# KiCad board gk-pcbv3.kicad_pcb
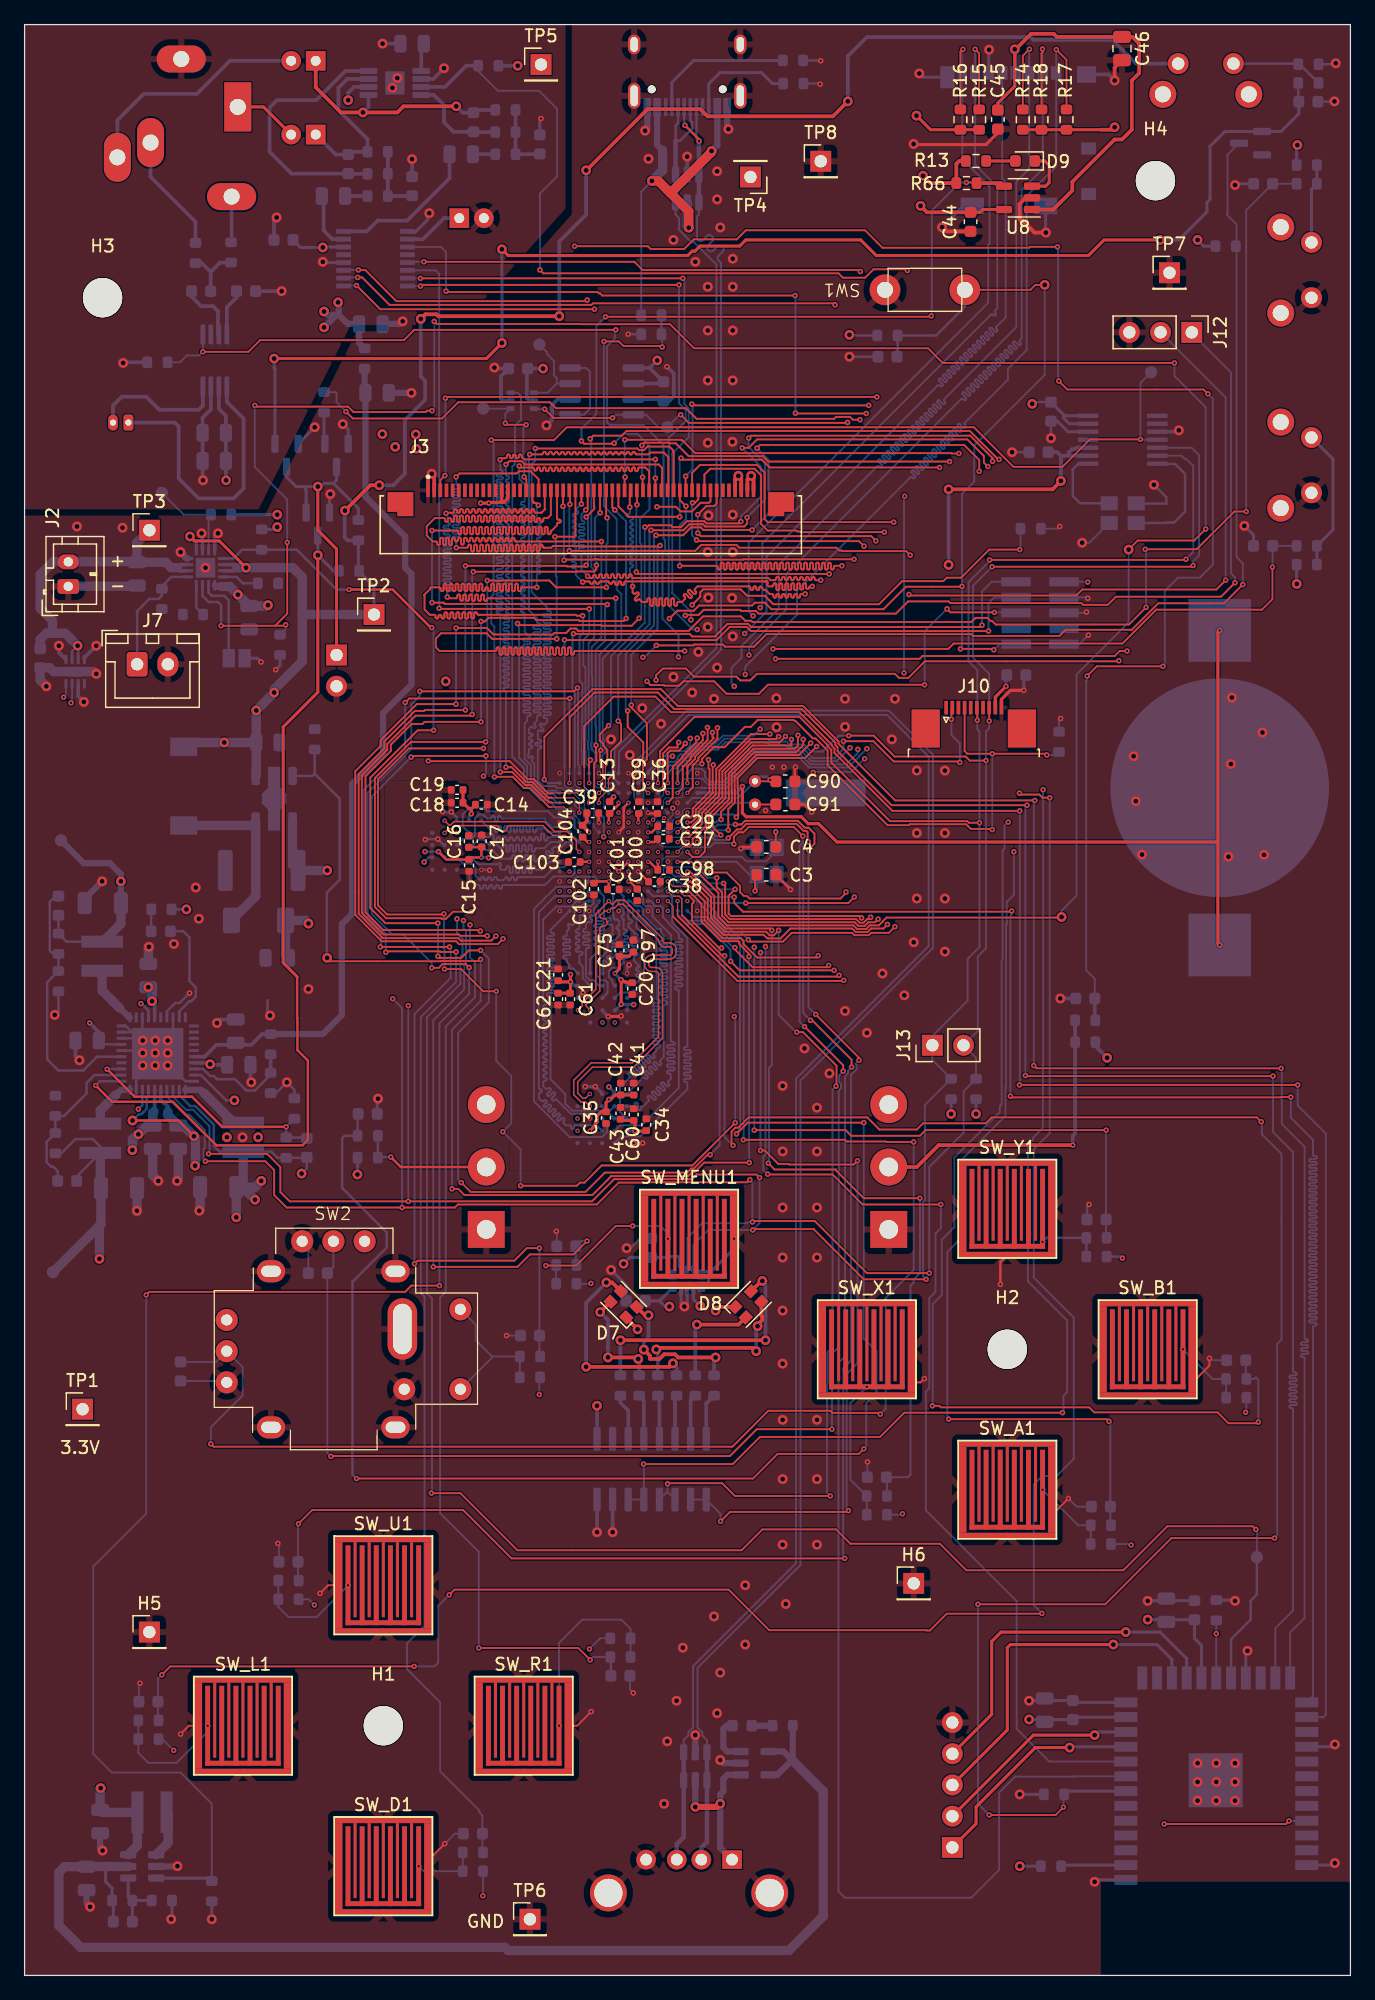
[diagram p0: board, top side]
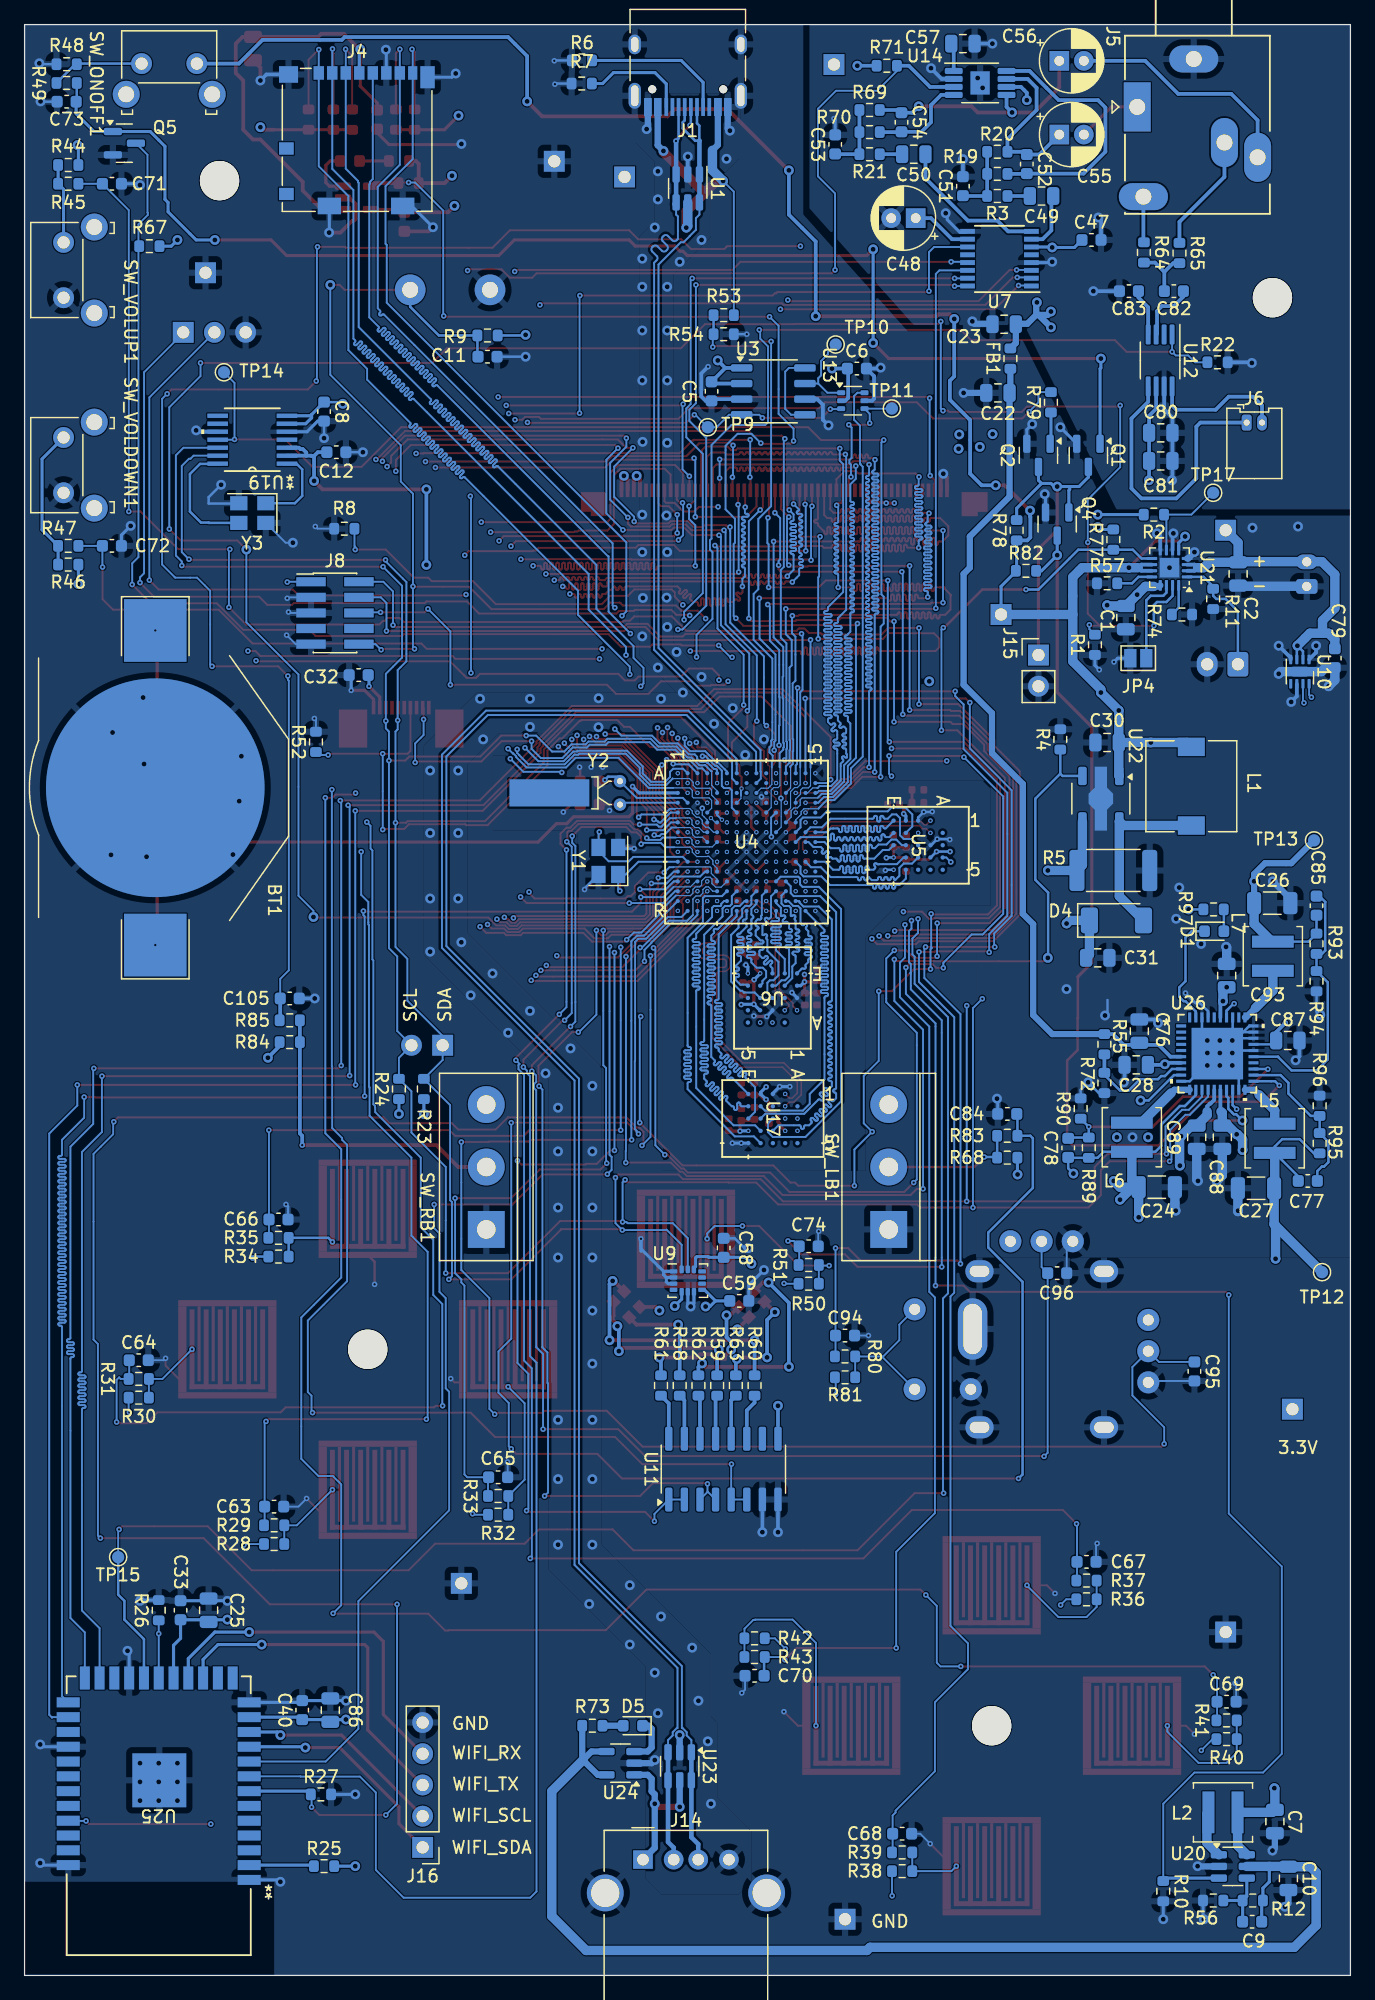
[diagram p1: board, bottom side, seen from below]

Outline 107.95 x 158.75 mm; copper layers: Top, In1.Cu, In2.Cu, In3.Cu, In4.Cu, Bottom. Coordinates in mm from the lower left corner of the outline.
Outline path: rectangle 0,158.75 107.95,0
Stack: Top 0.035mm / dielectric 0.0994mm FR4 er 4.1 / In1.Cu 0.0152mm / dielectric 0.55mm FR4 er 4.6 / In2.Cu 0.0152mm / dielectric 0.1088mm FR4 er 4.16 / In3.Cu 0.0152mm / dielectric 0.55mm FR4 er 4.6 / In4.Cu 0.0152mm / dielectric 0.0994mm FR4 er 4.1 / Bottom 0.035mm

## Placement (name value [footprint] x y rotation side)
BT1  Battery_Cell  [BatteryHolder_Keystone_3002_1x2032]  97.31 96.65 90 bottom
C1  4.7u  [C_0805_2012Metric]  18.29 110.49 270 bottom
C2  4.7u  [C_0805_2012Metric]  9.14 114.05 270 bottom
C3  15p  [C_0603_1608Metric]  60.39 89.57 0 top
C4  15p  [C_0603_1608Metric]  60.39 91.83 180 top
C5  100n  [C_0603_1608Metric]  52.02 128.91 270 bottom
C6  100n  [C_0603_1608Metric]  40.18 130.76 180 bottom
C7  10u  [C_0805_2012Metric]  6.15 12.52 270 bottom
C8  100n  [C_0603_1608Metric]  83.57 127.25 270 bottom
C9  175p  [C_0603_1608Metric]  8 4.37 0 bottom
C10  22u  [C_0805_2012Metric]  5.05 7.9 270 bottom
C11  100n  [C_0603_1608Metric]  70.26 131.72 180 bottom
C12  100n  [C_0603_1608Metric]  82.56 123.95 180 bottom
C13  100n  [C_0402_1005Metric]  47.63 95.03 90 top
C14  1u  [C_0402_1005Metric]  37.19 95.28 0 top
C15  1u  [C_0402_1005Metric]  36.19 90.33 270 top
C16  100n  [C_0402_1005Metric]  36.17 92.28 90 top
C17  100n  [C_0402_1005Metric]  37.22 92.3 90 top
C18  100n  [C_0402_1005Metric]  35.22 95.43 180 top
C19  100n  [C_0402_1005Metric]  35.22 96.48 180 top
C20  1u  [C_0402_1005Metric]  49.47 80.3 270 top
C21  1u  [C_0402_1005Metric]  43.44 81.43 90 top
C22  10u  [C_0805_2012Metric]  28.7 128.78 0 bottom
C23  10u  [C_0805_2012Metric]  28.19 134.37 0 bottom
C24  47u  [C_1206_3216Metric]  15.77 64.14 180 bottom
C25  10u  [C_0805_2012Metric]  92.96 29.72 90 bottom
C26  47u  [C_1206_3216Metric]  6.37 87.26 180 bottom
C27  47u  [C_1206_3216Metric]  7.69 64.06 0 bottom
C28  1u  [C_0805_2012Metric]  17.44 74.1 0 bottom
C29  100n  [C_0402_1005Metric]  52.03 93.51 0 top
C30  22u  [C_0805_2012Metric]  19.81 100.33 0 bottom
C31  2.2u  [C_0805_2012Metric]  20.57 82.8 180 bottom
C32  100n  [C_0603_1608Metric]  80.75 105.82 0 bottom
C33  100n  [C_0603_1608Metric]  95.25 29.72 90 bottom
C34  1u  [C_0402_1005Metric]  50.62 69.23 90 top
C35  1u  [C_0402_1005Metric]  47.34 69.8 270 top
C36  2.2u  [C_0402_1005Metric]  51.53 95.03 90 top
C37  100n  [C_0402_1005Metric]  52.01 92.48 0 top
C38  2.2u  [C_0402_1005Metric]  51.28 89.01 0 top
C39  2.2u  [C_0402_1005Metric]  46.26 94.58 180 top
C40  100n  [C_0603_1608Metric]  85.34 21.59 90 bottom
C41  100n  [C_0402_1005Metric]  49.59 72.13 90 top
C42  100n  [C_0402_1005Metric]  48.54 72.13 90 top
C43  100n  [C_0402_1005Metric]  48.52 70.15 90 top
C44  100n  [C_0603_1608Metric]  77.02 142.7 270 top
C45  100n  [C_0603_1608Metric]  79.24 151.02 270 top
C46  10u  [C_0805_2012Metric]  89.35 156.8 270 top
C47  100n  [C_0603_1608Metric]  21.08 141.22 180 bottom
C48  10u  [CP_Radial_D5.0mm_P2.00mm]  35.39 143 0 bottom
C49  0 / 1u  [C_0805_2012Metric]  25.15 144.8 0 bottom
C50  0 / 1u  [C_0805_2012Metric]  35.55 148.2 0 bottom
C51  3300p  [C_0603_1608Metric]  31.55 145.6 90 bottom
C52  680p  [C_0603_1608Metric]  26.35 147.4 270 bottom
C53  3300p  [C_0603_1608Metric]  41.95 149 90 bottom
C54  680p  [C_0603_1608Metric]  36.55 150.8 270 bottom
C55  10u  [CP_Radial_D5.0mm_P2.00mm]  23.71 149.8 180 bottom
C56  10u  [CP_Radial_D5.0mm_P2.00mm]  23.71 155.8 180 bottom
C57  1u  [C_0805_2012Metric]  31.55 157.2 0 bottom
C58  100n  [C_0603_1608Metric]  51.03 59.21 90 bottom
C59  100n  [C_0603_1608Metric]  49.76 54.89 180 bottom
C60  100n  [C_0402_1005Metric]  49.59 70.05 90 top
C61  100n  [C_0402_1005Metric]  44.42 79.45 270 top
C62  100n  [C_0402_1005Metric]  43.44 79.45 270 top
C63  100n  [C_0603_1608Metric]  87.63 38.15 180 bottom
C64  100n  [C_0603_1608Metric]  98.65 50.06 180 bottom
C65  100n  [C_0603_1608Metric]  69.39 40.54 180 bottom
C66  100n  [C_0603_1608Metric]  87.27 61.51 180 bottom
C67  100n  [C_0603_1608Metric]  21.49 33.66 180 bottom
C68  100n  [C_0603_1608Metric]  36.5 11.53 180 bottom
C69  100n  [C_0603_1608Metric]  10.08 22.28 180 bottom
C70  100n  [C_0603_1608Metric]  48.51 24.38 0 bottom
C71  100n  [C_0603_1608Metric]  100.84 145.8 180 bottom
C72  100n  [C_0603_1608Metric]  100.84 116.33 180 bottom
C73  100n  [C_0603_1608Metric]  104.52 152.48 0 bottom
C74  100n  [C_0603_1608Metric]  44.11 59.33 180 bottom
C75  100n  [C_0402_1005Metric]  48.43 83.41 90 top
C76  1u  [C_0805_2012Metric]  17.19 76.84 90 bottom
C77  10p  [C_0603_1608Metric]  3.47 64.65 180 bottom
C78  10p  [C_0603_1608Metric]  22.98 67.34 90 bottom
C79  100n  [C_0603_1608Metric]  1.27 107.19 270 bottom
C80  10u  [C_0805_2012Metric]  15.44 125.53 180 bottom
C81  1u  [C_0805_2012Metric]  15.44 123.24 180 bottom
C82  0.1u  [C_0603_1608Metric]  14.38 137.06 0 bottom
C83  0.1u  [C_0603_1608Metric]  18.03 137.06 0 bottom
C84  100n  [C_0603_1608Metric]  27.94 70.1 0 bottom
C85  10p  [C_0603_1608Metric]  2.76 87.05 90 bottom
C86  10u  [C_0805_2012Metric]  83.06 21.59 90 bottom
C87  1u  [C_0805_2012Metric]  5.1 76.08 180 bottom
C88  22u  [C_0805_2012Metric]  10.43 68.21 270 bottom
C89  22u  [C_0805_2012Metric]  12.51 68.21 270 bottom
C90  15p  [C_0603_1608Metric]  61.94 97.17 0 top
C91  15p  [C_0603_1608Metric]  61.94 95.29 0 top
C93  22u  [C_0805_2012Metric]  10.08 81.36 90 bottom
C94  100n  [C_0603_1608Metric]  41.15 52.07 180 bottom
C95  10n  [C_0603_1608Metric]  12.7 49.15 270 bottom
C96  10n  [C_0603_1608Metric]  23.88 57.15 180 bottom
C97  100n  [C_0402_1005Metric]  49.56 83.76 90 top
C98  100n  [C_0402_1005Metric]  52.03 89.96 0 top
C99  100n  [C_0402_1005Metric]  50.01 95.03 90 top
C100  100n  [C_0402_1005Metric]  49.88 87.93 270 top
C101  100n  [C_0402_1005Metric]  47.93 88.38 0 top
C102  100n  [C_0402_1005Metric]  46.36 88.41 270 top
C103  100n  [C_0402_1005Metric]  44.76 90.61 180 top
C104  100n  [C_0402_1005Metric]  45.43 93.11 90 top
C105  100n  [C_0603_1608Metric]  86.36 79.5 180 bottom
D1  LED  [LED_0603_1608Metric]  11.09 84.97 180 bottom
D4  D  [D_SOD-128]  19.05 85.85 180 bottom
D5  LED  [LED_0603_1608Metric]  58.42 20.32 0 bottom
D7  LED_ARGB  [LED_ASMB-KTF0-0A306]  48.77 54.61 135 top
D8  LED_ARGB  [LED_ASMB-KTF0-0A306]  58.93 54.61 45 top
D9  LED  [LED_0603_1608Metric]  81.46 147.65 180 top
FB1  FerriteBead  [R_0603_1608Metric]  27.69 131.57 90 bottom
H1  MountingHole  [MountingHole_3.2mm_M3]  29.21 20.32 0 top
H2  MountingHole  [MountingHole_3.2mm_M3]  80.01 50.95 0 top
H3  MountingHole  [MountingHole_3.2mm_M3]  6.35 136.53 0 top
H4  MountingHole  [MountingHole_3.2mm_M3]  92.08 146.05 0 top
H5  Conn_01x01  [PinHeader_1x01_P2.54mm_Vertical]  10.16 27.94 0 top
H6  Conn_01x01  [PinHeader_1x01_P2.54mm_Vertical]  72.39 31.9 0 top
J1  USB_C_Receptacle_USB2.0  [USB_C_Receptacle_HRO_TYPE-C-31-M-12]  53.95 156.09 0 bottom
J2  Conn_01x02  [JST_PH_B2B-PH-K_1x02_P2.00mm_Vertical]  3.56 113.03 90 top
J3  Conn_02x27_Top_Bottom  [AMPHENOL_F32Q-1A7H1-11054]  45.9 118.24 270 top
J4  Micro_SD_Card_Det2  [microSD_HC_Molex_104031-0811]  80.89 149.37 180 bottom
J5  AudioJack3_SwitchTR  [Jack_3.5mm_Ledino_KB3SPRS_Horizontal]  17.36 152.05 270 bottom
J6  Conn_01x02  [Molex_PicoBlade_53048-0210_1x02_P1.25mm_Horizontal]  8.45 126.36 180 bottom
J7  Conn_01x02  [JST_XH_B2B-XH-A_1x02_P2.50mm_Vertical]  9.16 106.7 0 top
J8  Conn_ARM_JTAG_SWD_10  [PinHeader_2x05_P1.27mm_Vertical_SMD]  82.68 110.87 180 bottom
J10  TE 1-1734839-0  [TE_1-1734839-0_1x10-1MP_P0.5mm_Horizontal]  77.29 101.82 0 top
J12  Conn_01x03  [PinHeader_1x03_P2.54mm_Vertical]  95.03 133.71 270 top
J13  Conn_01x02  [PinHeader_1x02_P2.54mm_Vertical]  73.91 75.69 90 top
J14  USB_A  [USB_A_Molex_67643_Horizontal]  57.6 9.42 180 bottom
J15  Conn_01x02  [PinHeader_1x02_P2.54mm_Vertical]  25.4 107.45 180 bottom
J16  Conn_01x05  [PinHeader_1x05_P2.54mm_Vertical]  75.54 10.42 0 bottom
JP4  SolderJumper_2_Open  [SolderJumper-2_P1.3mm_Open_Pad1.0x1.5mm]  17.27 107.19 180 bottom
L1  10u  [L_7.3x7.3_H3.5]  12.95 96.77 270 bottom
L2  2.2u XAL4020-222ME  [L_Coilcraft_XAL4020-XXX]  10.38 13.27 180 bottom
L5  2.2u XAL4020-222ME  [L_Coilcraft_XAL4020-XXX]  6.16 68.12 90 bottom
L6  2.2u XAL4020-222ME  [L_Coilcraft_XAL4020-XXX]  17.8 68.21 90 bottom
L7  2.2u XAL4020-222ME  [L_Coilcraft_XAL4020-XXX]  6.32 82.94 270 bottom
Q1  2N7002  [SOT-23]  21.34 123.7 270 bottom
Q2  2N7002  [SOT-23]  25.4 123.7 270 bottom
Q4  2N7002  [SOT-23]  23.88 118.11 270 bottom
Q5  2N7002  [SOT-23]  99.82 149.1 180 bottom
R1  10k  [R_0603_1608Metric]  20.8 108.28 90 bottom
R2  100k  [R_0603_1608Metric]  16 118.87 0 bottom
R3  7.5k  [R_0603_1608Metric]  28.75 144.8 0 bottom
R4  100k  [R_0603_1608Metric]  23.62 100.58 90 bottom
R5  20R  [R_2512_6332Metric]  19.3 89.92 180 bottom
R6  5.1k  [R_0603_1608Metric]  62.56 155.83 180 bottom
R7  5.1k  [R_0603_1608Metric]  62.59 153.95 0 bottom
R8  10k  [R_0603_1608Metric]  81.91 117.73 0 bottom
R9  10k  [R_0603_1608Metric]  70.26 133.45 0 bottom
R10  100k  [R_0603_1608Metric]  15.24 6.86 270 bottom
R11  NC/10k  [R_0603_1608Metric]  11.18 112.01 90 bottom
R12  910k  [R_0603_1608Metric]  7.95 6.1 0 bottom
R13  100k  [R_0603_1608Metric]  77.46 147.65 0 top
R14  10k  [R_0603_1608Metric]  81.27 151.02 90 top
R15  100k  [R_0603_1608Metric]  77.72 151.02 90 top
R16  100k  [R_0603_1608Metric]  76.19 151.02 90 top
R17  100k  [R_0603_1608Metric]  84.83 151.02 90 top
R18  100k  [R_0603_1608Metric]  82.8 151.02 90 top
R19  360R  [R_0603_1608Metric]  28.75 146.6 180 bottom
R20  5.6k  [R_0603_1608Metric]  28.75 148.4 180 bottom
R21  7.5k  [R_0603_1608Metric]  39.15 148.2 0 bottom
R22  10k  [R_0603_1608Metric]  10.82 131.27 180 bottom
R23  1k  [R_0603_1608Metric]  75.44 72.14 90 bottom
R24  1k  [R_0603_1608Metric]  77.47 72.14 90 bottom
R25  1M  [R_0603_1608Metric]  83.57 8.89 180 bottom
R26  100k  [R_0603_1608Metric]  97.03 29.72 90 bottom
R27  100k  [R_0603_1608Metric]  83.82 14.73 180 bottom
R28  10k  [R_0603_1608Metric]  87.63 35.1 180 bottom
R29  10k  [R_0603_1608Metric]  87.63 36.63 0 bottom
R30  10k  [R_0603_1608Metric]  98.65 47.02 180 bottom
R31  10k  [R_0603_1608Metric]  98.65 48.54 0 bottom
R32  10k  [R_0603_1608Metric]  69.39 37.49 180 bottom
R33  10k  [R_0603_1608Metric]  69.39 39.01 0 bottom
R34  10k  [R_0603_1608Metric]  87.27 58.5 180 bottom
R35  10k  [R_0603_1608Metric]  87.27 60.02 0 bottom
R36  10k  [R_0603_1608Metric]  21.49 30.61 180 bottom
R37  10k  [R_0603_1608Metric]  21.49 32.13 0 bottom
R38  10k  [R_0603_1608Metric]  36.5 8.48 180 bottom
R39  10k  [R_0603_1608Metric]  36.5 10.01 0 bottom
R40  10k  [R_0603_1608Metric]  10.08 19.23 180 bottom
R41  10k  [R_0603_1608Metric]  10.08 20.75 0 bottom
R42  10k  [R_0603_1608Metric]  48.51 27.43 0 bottom
R43  10k  [R_0603_1608Metric]  48.51 25.91 180 bottom
R44  10k  [R_0603_1608Metric]  104.39 147.32 0 bottom
R45  10k  [R_0603_1608Metric]  104.39 145.8 180 bottom
R46  10k  [R_0603_1608Metric]  104.39 114.81 0 bottom
R47  10k  [R_0603_1608Metric]  104.39 116.33 180 bottom
R48  10k  [R_0603_1608Metric]  104.52 155.52 0 bottom
R49  10k  [R_0603_1608Metric]  104.52 154 180 bottom
R50  10k  [R_0603_1608Metric]  44.11 56.29 180 bottom
R51  10k  [R_0603_1608Metric]  44.11 57.81 0 bottom
R52  10k  [R_0603_1608Metric]  84.23 100.38 90 bottom
R53  33k  [R_0603_1608Metric]  51.03 135.1 0 bottom
R54  82k  [R_0603_1608Metric]  51.03 133.55 180 bottom
R55  825k  [R_0603_1608Metric]  20.03 75.78 270 bottom
R56  100k  [R_0603_1608Metric]  11.18 6.1 0 bottom
R57  1.5k  [R_0603_1608Metric]  19.81 113.28 180 bottom
R58  360R  [R_0603_1608Metric]  54.61 48.01 270 bottom
R59  360R  [R_0603_1608Metric]  51.56 48.01 270 bottom
R60  360R  [R_0603_1608Metric]  48.51 48.01 270 bottom
R61  360R  [R_0603_1608Metric]  56.13 48.01 270 bottom
R62  360R  [R_0603_1608Metric]  53.09 48.01 270 bottom
R63  360R  [R_0603_1608Metric]  50.04 48.01 270 bottom
R64  10k  [R_0603_1608Metric]  16.81 140.21 270 bottom
R65  10k  [R_0603_1608Metric]  13.92 140.16 270 bottom
R66  100k  [R_0603_1608Metric]  76.69 145.85 0 top
R67  100k  [R_0603_1608Metric]  97.79 140.72 0 bottom
R68  10k  [R_0603_1608Metric]  27.94 66.55 0 bottom
R69  5.6k  [R_0603_1608Metric]  39.15 151.8 180 bottom
R70  360R  [R_0603_1608Metric]  39.15 150 180 bottom
R71  10k  [R_0603_1608Metric]  37.75 155.4 0 bottom
R72  232k  [R_0603_1608Metric]  20.03 72.63 270 bottom
R73  10k  [R_0603_1608Metric]  61.72 20.32 0 bottom
R74  1k  [R_0603_1608Metric]  13.72 110.74 0 bottom
R77  100k  [R_0603_1608Metric]  19.3 116.84 90 bottom
R78  100k  [R_0603_1608Metric]  27.18 117.6 90 bottom
R79  10k  [R_0603_1608Metric]  24.38 128.02 90 bottom
R80  10k  [R_0603_1608Metric]  41.15 50.37 0 bottom
R81  10k  [R_0603_1608Metric]  41.15 48.67 0 bottom
R82  100k  [R_0603_1608Metric]  26.42 114.3 180 bottom
R83  10k  [R_0603_1608Metric]  27.94 68.33 180 bottom
R84  10k  [R_0603_1608Metric]  86.36 75.95 180 bottom
R85  10k  [R_0603_1608Metric]  86.36 77.72 0 bottom
R89  825k  [R_0603_1608Metric]  21.3 67.36 90 bottom
R90  232k  [R_0603_1608Metric]  21.96 70.54 90 bottom
R93  750k  [R_0603_1608Metric]  2.76 83.95 270 bottom
R94  510k  [R_0603_1608Metric]  2.76 80.91 270 bottom
R95  510k  [R_0603_1608Metric]  2.51 67.72 90 bottom
R96  680k  [R_0603_1608Metric]  2.51 70.77 90 bottom
R97  10k  [R_0603_1608Metric]  11.14 86.75 180 bottom
SW1  SW_Push  [Tactile Switch 6x3.5mm]  73.3 137.17 180 top
SW2  ~  [XBOX_THUMB_ROT_OVERLAP]  25.1 50.8 0 top
SW_A1  SW_Push  [TouchButton-8x8mm]  80.01 39.52 0 top
SW_B1  SW_Push  [TouchButton-8x8mm]  91.44 50.95 0 top
SW_D1  SW_Push  [TouchButton-8x8mm]  29.21 8.89 0 top
SW_L1  SW_Push  [TouchButton-8x8mm]  17.78 20.32 0 top
SW_LB1  SW_Push  [TerminalBlock_bornier-3_P5.08mm]  37.59 60.71 90 bottom
SW_MENU1  SW_Push  [TouchButton-8x8mm]  54.1 59.94 0 top
SW_ONOFF1  SW_Push  [SW_Tactile_SKHH_Angled]  98.42 155.58 180 bottom
SW_R1  SW_Push  [TouchButton-8x8mm]  40.64 20.32 0 top
SW_RB1  SW_Push  [TerminalBlock_bornier-3_P5.08mm]  70.36 60.71 90 bottom
SW_U1  SW_Push  [TouchButton-8x8mm]  29.21 31.75 0 top
SW_VOLDOWN1  SW_Push  [SW_Tactile_SKHH_Angled]  104.77 120.65 90 bottom
SW_VOLUP1  SW_Push  [SW_Tactile_SKHH_Angled]  104.77 136.53 90 bottom
SW_X1  SW_Push  [TouchButton-8x8mm]  68.58 50.95 0 top
SW_Y1  SW_Push  [TouchButton-8x8mm]  80.01 62.38 0 top
TP1  TestPoint  [PinHeader_1x01_P2.54mm_Vertical]  4.72 46.08 0 top
TP2  TestPoint  [PinHeader_1x01_P2.54mm_Vertical]  28.45 110.74 0 top
TP3  TestPoint  [PinHeader_1x01_P2.54mm_Vertical]  10.16 117.6 0 top
TP4  TestPoint  [PinHeader_1x01_P2.54mm_Vertical]  59.1 146.35 180 top
TP5  TestPoint  [PinHeader_1x01_P2.54mm_Vertical]  42.05 155.5 0 top
TP6  TestPoint  [PinHeader_1x01_P2.54mm_Vertical]  41.15 4.57 0 top
TP7  TestPoint  [PinHeader_1x01_P2.54mm_Vertical]  93.22 138.56 0 top
TP8  TestPoint  [PinHeader_1x01_P2.54mm_Vertical]  64.82 147.62 0 top
TP9  TestPoint  [TestPoint_Pad_D1.0mm]  52.32 125.98 180 bottom
TP10  TestPoint  [TestPoint_Pad_D1.0mm]  41.91 132.72 180 bottom
TP11  TestPoint  [TestPoint_Pad_D1.0mm]  37.34 127.51 180 bottom
TP12  TestPoint  [TestPoint_Pad_D1.0mm]  2.31 57.23 180 bottom
TP13  TestPoint  [TestPoint_Pad_D1.0mm]  2.96 92.36 180 bottom
TP14  TestPoint  [TestPoint_Pad_D1.0mm]  91.72 130.45 180 bottom
TP15  TestPoint  [TestPoint_Pad_D1.0mm]  100.33 34.04 0 bottom
TP17  TestPoint  [TestPoint_Pad_D1.0mm]  11.18 120.65 180 bottom
U1  WE-TVS-82400102  [SOT-23-6]  53.95 145.42 270 bottom
U3  ICS570BLF  [SO-8_3.9x4.9mm_P1.27mm]  46.99 128.91 180 bottom
U4  STM32H7S7L8H6H  [TFBGA225_STM]  49.17 92.23 180 bottom
U5  S26KS128SDPBHI020  [BGA24_Hyperbus]  35.2 91.97 270 bottom
U6  S80KS5122GABHI020  [BGA24_Hyperbus]  47.06 79.54 0 bottom
U7  PCM1753DBQ  [SSOP-16_3.9x4.9mm_P0.635mm]  28.58 139.7 0 bottom
U8  TPS2041BDBV  [SOT-23-5]  80.89 144.65 180 top
U9  LSM6DSL  [LGA-14_3x2.5mm_P0.5mm_LayoutBorder3x4y]  53.95 56.54 180 bottom
U10  MAX17048  [TDFN-8-1EP_2x2mm_P0.5mm_EP0.8x1.2mm]  4.11 106.1 270 bottom
U11  ULN2003A  [SOIC-16_3.9x9.9mm_P1.27mm]  51.05 41.2 90 bottom
U12  PAM8302AAS  [MSOP-8_3x3mm_P0.65mm]  15.49 131.42 270 bottom
U13  TMUX1237  [SOT-363_SC-70-6]  40.51 128.14 180 bottom
U14  TPA6110A2DGN  [HVSSOP-8-1EP_3x3mm_P0.65mm_EP1.57x1.89mm]  30.15 154 180 bottom
U17  S80KS5122GABHI020  [BGA24_Hyperbus]  47.02 69.73 270 bottom
U19  CDCE913PWR  [PW14]  89.41 124.97 0 bottom
U20  TLV61070ADBV  [SOT-23-6]  9.58 8.87 180 bottom
U21  BQ24075RGT (_not_ BQ24075*T*RGT)  [VQFN-16-1EP_3x3mm_P0.5mm_EP1.6x1.6mm]  14.73 114.55 0 bottom
U22  PT4110E89E  [SOT-89-5]  20.32 95.76 270 bottom
U23  WE-TVS-82400102  [SOT-23-6]  54.61 17.02 270 bottom
U24  TPS2051CDBV  [SOT-23-5]  59.44 17.27 0 bottom
U25  ATWILC3000-MR110CA  [ATWILC3000-MR110CA_MCH]  97.03 12.99 0 bottom
U26  LT3380EUJM-PBF  [05-08-1681_ADI]  10.84 75.01 180 bottom
Y1  24MHz  [Crystal_SMD_SeikoEpson_TSX3225-4Pin_3.2x2.5mm]  60.42 90.69 90 bottom
Y2  32.768kHz R26-32.768-12.5  [Crystal_C26-LF_D2.1mm_L6.5mm_Horizontal_1EP_style1]  59.47 97.18 270 bottom
Y3  27M  [Crystal_SMD_SeikoEpson_TSX3225-4Pin_3.2x2.5mm]  89.41 119 0 bottom

## Library data of the parts
C1-C4 C11 C13-C23 C25 C29-C35 C37 C40-C47 C49-C54 C57-C75 C79-C84 C86 C90 C91 C94-C105 = -: ki_fp_filters: C_*
C5-C10 C12 C24 C26-C28 C36 C38 C39 C76-C78 C85 C87-C89 C93 = -: Description: Unpolarized capacitor; ki_fp_filters: C_*
C48 C55 C56 = -: ki_fp_filters: CP_*
D1 = -: Description: Light emitting diode; ki_fp_filters: LED* LED_SMD:* LED_THT:*
D4 = -: Sim.Pins: 1=K 2=A; ki_fp_filters: TO-???* *_Diode_* *SingleDiode* D_*
D5 D7-D9 = -: ki_fp_filters: LED* LED_SMD:* LED_THT:*
FB1 = -: ki_fp_filters: Inductor_* L_* *Ferrite*
H1-H4 = -: ki_fp_filters: MountingHole*
H5 H6 J2 J6 J7 J13 = -: ki_fp_filters: Connector*:*_1x??_*
J1 = -: Datasheet: https://www.usb.org/sites/default/files/documents/usb_type-c.zip; ki_fp_filters: USB*C*Receptacle*
J3 = -: ki_fp_filters: Connector*:*_2x??_*
J4 = -: Datasheet: https://www.hirose.com/en/product/document?clcode=&productname=&series=DM3&documenttype=Catalog&lang=en&documentid=D49662_en; ki_fp_filters: microSD*
J5 = -: ki_fp_filters: Jack*
J8 = -: Datasheet: http://infocenter.arm.com/help/topic/com.arm.doc.ddi0314h/DDI0314H_coresight_components_trm.pdf; ki_fp_filters: PinHeader?2x05?P1.27mm*
J10 = -: Description: Generic connector, single row, 01x10, script generated (kicad-library-utils/schlib/autogen/connector/); ki_fp_filters: Connector*:*_1x??_*
J12 = -: Description: Generic connector, single row, 01x03, script generated (kicad-library-utils/schlib/autogen/connector/); ki_fp_filters: Connector*:*_1x??_*
J14 = -: Description: USB Type A connector; ki_fp_filters: USB*
J15 = -: Description: Generic connector, single row, 01x02, script generated (kicad-library-utils/schlib/autogen/connector/); ki_fp_filters: Connector*:*_1x??_*
J16 = -: Description: Generic connector, single row, 01x05, script generated (kicad-library-utils/schlib/autogen/connector/); ki_fp_filters: Connector*:*_1x??_*
JP4 = -: Description: Solder Jumper, 2-pole, open; ki_fp_filters: SolderJumper*Open*
L1 = -: ki_fp_filters: Choke_* *Coil* Inductor_* L_*
L2 L5-L7 = -: Description: Inductor; ki_fp_filters: Choke_* *Coil* Inductor_* L_*
Q1 Q2 Q4 Q5 = -: Datasheet: https://www.onsemi.com/pub/Collateral/NDS7002A-D.PDF; Description: 0.115A Id, 60V Vds, N-Channel MOSFET, SOT-23; ki_fp_filters: SOT?23*
R1-R9 R11 R13-R52 R57-R71 R73 R74 R77-R85 = -: ki_fp_filters: R_*
R10 R12 R53-R56 R72 R89 R90 R93-R97 = -: Description: Resistor; ki_fp_filters: R_*
TP1-TP8 = -: ki_fp_filters: Pin* Test*
TP9-TP15 TP17 = -: Description: test point; ki_fp_filters: Pin* Test*
U1 U23 = -: Datasheet: https://katalog.we-online.de/pbs/datasheet/82400102.pdf; ki_fp_filters: SOT?23*
U4 = -: ki_fp_filters: TFBGA225_STM TFBGA225_STM-M TFBGA225_STM-L
U5 = -: Datasheet: S26KS128SDPBHM020; ki_fp_filters: BGA24_S26KS512SDPBHI020_CYP_INF BGA24_S26KS512SDPBHI020_CYP_INF-M BGA24_S26KS512SDPBHI020_CYP_INF-L
U6 U17 = -: ki_fp_filters: PG-BGA-24-801
U8 = -: Datasheet: http://www.ti.com/lit/ds/symlink/tps2041.pdf; ki_fp_filters: SOT?23*
U9 = -: Datasheet: https://www.st.com/resource/en/datasheet/lsm6dsl.pdf; ki_fp_filters: LGA*3x2.5mm*P0.5mm*LayoutBorder3x4y*
U11 = -: Datasheet: http://www.ti.com/lit/ds/symlink/uln2003a.pdf; ki_fp_filters: DIP*W7.62mm* SOIC*3.9x9.9mm*P1.27mm* SSOP*4.4x5.2mm*P0.65mm* TSSOP*4.4x5mm*P0.65mm* SOIC*W*5.3x10.2mm*P1.27mm*
U12 = -: Datasheet: https://www.diodes.com/assets/Datasheets/PAM8302A.pdf; ki_fp_filters: MSOP*3x3mm*P0.65mm* SOIC*3.9x4.9mm*P1.27mm*
U14 = -: Datasheet: https://www.ti.com/lit/ds/symlink/tpa6110a2.pdf; ki_fp_filters: HVSSOP*3x3mm*P0.65mm*
U19 = -: ki_fp_filters: PW14 PW14-M PW14-L
U20 = -: Datasheet: https://www.ti.com/lit/ds/symlink/tlv61070a.pdf; Description: Boost Converter, 2.5A switch current limit, 2.2-5.5V Output Voltage, 0.5-5.5V Input Voltage, SOT-23-6; ki_fp_filters: SOT?23*
U21 = -: Datasheet: http://www.ti.com/lit/ds/symlink/bq24075.pdf; Description: USB-Friendly Li-Ion Battery Charger and Power-Path Management, VQFN-16; ki_fp_filters: VQFN*1EP*3x3mm*P0.5mm*
U24 = -: Datasheet: https://www.ti.com/lit/ds/symlink/tps2051c.pdf; Description: 0.5A Current limited power switch, single channel, output discharge, reverse blocking, SOT-23-5; ki_fp_filters: SOT?23*
U25 = -: ki_fp_filters: ATWILC3000-MR110CA_MCH
U26 = -: ki_fp_filters: 05-08-1681_ADI 05-08-1681_ADI-M 05-08-1681_ADI-L
Y1 = -: ki_fp_filters: Crystal*
Y2 = -: Description: Three pin crystal, GND on pin 3; ki_fp_filters: Crystal*
Y3 = -: Description: Four pin crystal, GND on pins 2 and 4; ki_fp_filters: Crystal*
